# Altium PCB DIOT_Backplane.pcbdoc (part 2 of 11) (continued)
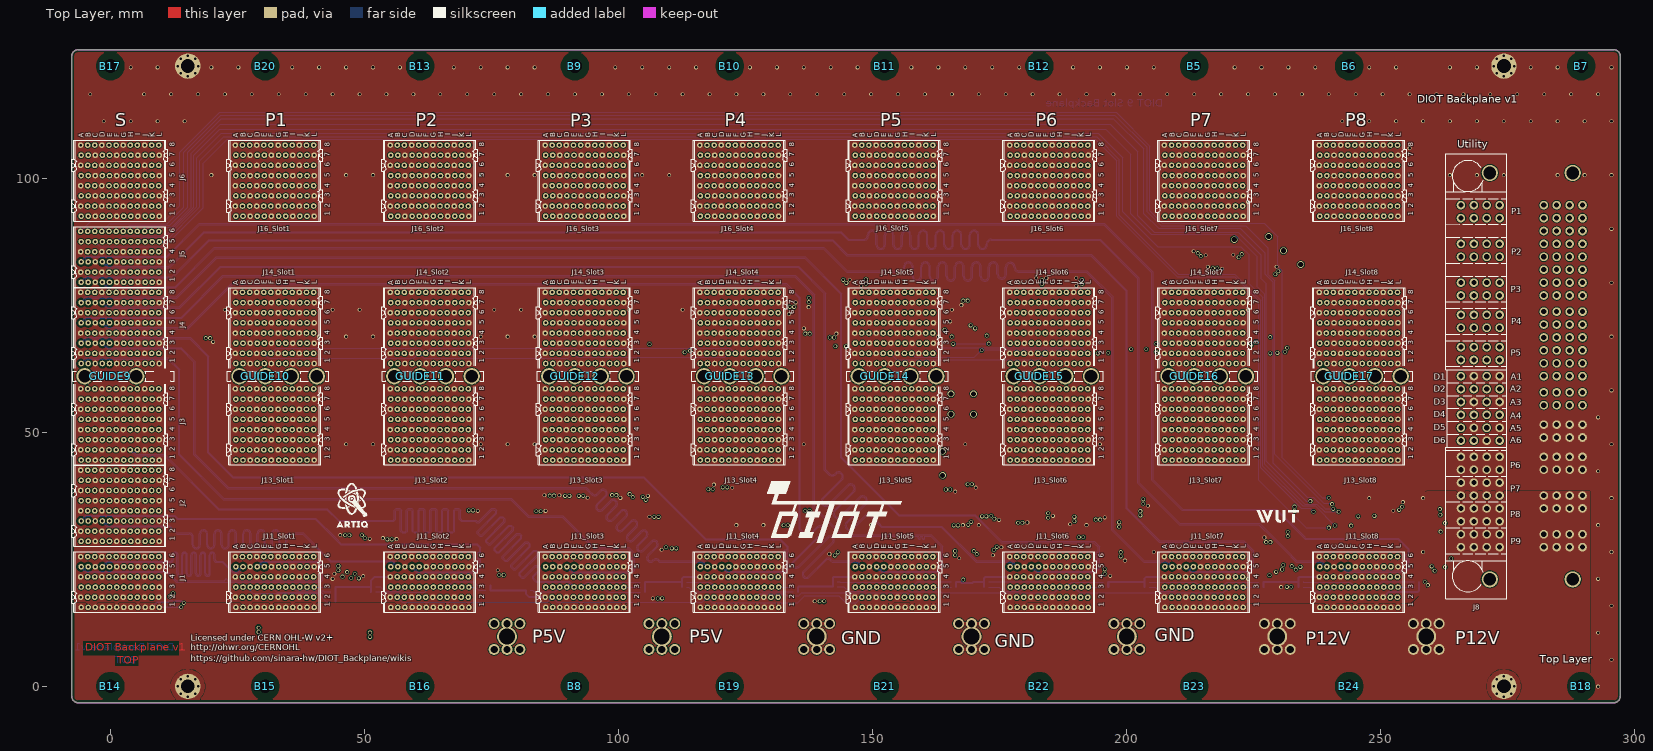
[diagram p0: Top Layer view]
## Part data (continued)

## Via types
v1: diameter 0.75, hole 0.5, Top Layer to Bottom Layer, tented both sides, 429 vias
v2: diameter 0.85, hole 0.5, Top Layer to Bottom Layer, tented both sides, 32 vias
v3: diameter 1.3, hole 1, Top Layer to Bottom Layer, tented both sides, 10 vias

## Nets (pads, with @x,y where several pads share a name; then routed paths per layer and width w, separated by ;. In a path a pad name is that pad's centre, name@x,y a point inside that pad or via, vN(x,y) a via of type N, cw(c..) or ccw(c..) an arc to the next point about the centre after c; other vN are vias at no path point)
1_CLK_N: J5.B5 J11_Slot1.F4 | length 318
  L8 w0.12: J5.B5@-4.38,87.55 -4.945,86.985 -4.945,86.853 -4.75,86.658 11.292,86.658 11.547,86.658 12.406,85.8 12.406,46.861 20.076,39.19 20.076,36.945 20.076,35.739 ccw(c20.517,35.739) 20.517,35.298 41.969,35.298 cw(c41.969,34.587) 41.969,33.876 17.623,33.876 ccw(c17.623,33.435) 17.623,32.994 42.218,32.994 cw(c42.218,32.283) 42.218,31.573 17.623,31.573 ccw(c17.623,31.132) 17.623,30.691 42.218,30.691 cw(c42.218,29.98) 42.218,29.269 17.623,29.269 ccw(c17.623,28.828) 17.623,28.387 42.218,28.387 cw(c42.218,27.676) 42.218,26.965 17.623,26.965 ccw(c17.623,26.524) 17.623,26.083 23.177,26.083 cw(c23.177,25.372) 23.177,24.662 17.623,24.662 ccw(c17.623,24.221) 17.623,23.78 19.366,23.78 cw(c19.366,23.069) 20.076,23.069 20.076,22.874 20.076,18.994 20.783,18.287 21.857,18.287 22.677,19.107 22.677,21.769 23.609,22.701 23.708,22.701 30.708,22.701 31.035,22.375 31.035,22.115 J11_Slot1.F4@31.6,21.55
1_CLK_P: J5.A5 J11_Slot1.E4 | length 318
  L8 w0.12: J5.A5@-5.78,87.55 -5.215,86.985 -5.215,86.741 -4.862,86.388 11.292,86.388 11.435,86.388 12.136,85.688 12.136,46.749 19.807,39.078 19.807,36.945 19.807,35.739 ccw(c20.517,35.739) 20.517,35.028 41.969,35.028 cw(c41.969,34.587) 41.969,34.146 17.623,34.146 ccw(c17.623,33.435) 17.623,32.724 42.218,32.724 cw(c42.218,32.283) 42.218,31.842 17.623,31.842 ccw(c17.623,31.132) 17.623,30.421 42.218,30.421 cw(c42.218,29.98) 42.218,29.539 17.623,29.539 ccw(c17.623,28.828) 17.623,28.117 42.218,28.117 cw(c42.218,27.676) 42.218,27.235 17.623,27.235 ccw(c17.623,26.524) 17.623,25.813 23.177,25.813 cw(c23.177,25.372) 23.177,24.931 17.623,24.931 ccw(c17.623,24.221) 17.623,23.51 19.366,23.51 cw(c19.366,23.069) 19.807,23.069 19.807,22.874 19.807,18.882 20.671,18.017 21.969,18.017 22.947,18.995 22.947,21.658 23.72,22.431 23.82,22.431 30.596,22.431 30.765,22.263 30.765,22.115 J11_Slot1.E4@30.2,21.55
1_DIFF_0_N: J1.B3 J11_Slot1.E3 | length 49.4
  L10 w0.102: J1.B3@-4.38,19.55 -4.965,20.135 -4.965,20.235 -4.742,20.459 11.464,20.459 14.622,17.3 15.413,17.3 15.626,17.3 15.976,17.65 15.976,18.354 16.192,18.57 16.624,18.57 16.84,18.354 16.84,16.38 17.19,16.03 17.812,16.03 18.162,16.38 18.162,18.354 18.378,18.57 18.81,18.57 19.026,18.354 19.026,16.38 19.376,16.03 19.998,16.03 20.348,16.38 20.348,18.354 20.564,18.57 20.996,18.57 21.212,18.354 21.212,17.65 21.562,17.3 21.986,17.3 22.336,17.3 23.564,18.528 29.497,18.528 29.714,18.745 29.714,18.965 J11_Slot1.E3@30.3,19.55
1_DIFF_0_P: J1.A3 J11_Slot1.D3 | length 49.4
  L10 w0.102: J1.A3@-5.78,19.55 -5.195,20.135 -5.195,20.33 -4.837,20.687 11.559,20.687 14.717,17.529 15.413,17.529 15.531,17.529 15.747,17.745 15.747,18.449 16.097,18.799 16.719,18.799 17.069,18.449 17.069,16.475 17.285,16.259 17.717,16.259 17.933,16.475 17.933,18.449 18.283,18.799 18.905,18.799 19.255,18.449 19.255,16.475 19.471,16.259 19.903,16.259 20.119,16.475 20.119,18.449 20.469,18.799 21.091,18.799 21.441,18.449 21.441,17.745 21.657,17.529 21.986,17.529 22.241,17.529 23.469,18.757 29.402,18.757 29.486,18.84 29.486,18.965 J11_Slot1.D3@28.9,19.55
1_DIFF_1_N: J1.E3 J11_Slot1.B3 | length 51.5
  L6 w0.102: J1.E3@-0.18,19.55 -0.255,19.55 -0.766,19.039 -0.766,18.955 -0.461,18.65 10.34,18.65 12.396,20.706 12.407,20.717 13.405,20.717 13.756,20.367 13.756,18.754 13.972,18.538 14.404,18.538 14.62,18.754 14.62,20.96 14.97,21.31 15.591,21.31 15.942,20.96 15.942,18.754 16.158,18.538 16.59,18.538 16.806,18.754 16.806,20.96 17.156,21.31 17.777,21.31 18.128,20.96 18.128,18.754 18.344,18.538 18.776,18.538 18.992,18.754 18.992,20.96 19.342,21.31 19.963,21.31 20.314,20.96 20.314,18.754 20.53,18.538 20.962,18.538 21.178,18.754 21.178,20.96 21.528,21.31 22.149,21.31 22.5,20.96 22.5,19.249 22.716,19.033 23.148,19.033 23.364,19.249 23.364,20.367 23.714,20.717 23.927,20.717 25.038,20.717 25.514,20.24 25.514,20.061 26.025,19.55 J11_Slot1.B3@26.1,19.55
1_DIFF_1_P: J1.D3 J11_Slot1.A3 | length 51.5
  L6 w0.102: J1.D3@-1.58,19.55 -1.505,19.55 -0.995,19.039 -0.995,18.86 -0.556,18.421 10.435,18.421 12.396,20.382 12.502,20.488 13.311,20.488 13.527,20.272 13.527,18.659 13.877,18.309 14.498,18.309 14.849,18.659 14.849,20.865 15.065,21.081 15.497,21.081 15.713,20.865 15.713,18.659 16.063,18.309 16.684,18.309 17.035,18.659 17.035,20.865 17.251,21.081 17.683,21.081 17.899,20.865 17.899,18.659 18.249,18.309 18.87,18.309 19.221,18.659 19.221,20.865 19.437,21.081 19.869,21.081 20.085,20.865 20.085,18.659 20.435,18.309 21.056,18.309 21.407,18.659 21.407,20.865 21.623,21.081 22.055,21.081 22.271,20.865 22.271,19.154 22.621,18.804 23.242,18.804 23.593,19.154 23.593,20.272 23.809,20.488 23.927,20.488 24.943,20.488 25.285,20.145 25.285,20.061 24.775,19.55 J11_Slot1.A3@24.7,19.55
1_DIFF_2_N: J1.C4 J11_Slot1.C4 | length 48.7
  L12 w0.102: J1.C4@-3.08,21.55 -3.665,22.136 -3.665,22.3 -3.463,22.503 10.647,22.503 10.86,22.503 11.21,22.853 11.21,23.557 11.426,23.773 11.858,23.773 12.074,23.557 12.074,21.583 12.424,21.233 13.046,21.233 13.396,21.583 13.396,23.557 13.612,23.773 14.044,23.773 14.26,23.557 14.26,21.583 14.61,21.233 15.232,21.233 15.582,21.583 15.582,23.557 15.798,23.773 16.23,23.773 16.446,23.557 16.446,21.583 16.796,21.233 17.418,21.233 17.768,21.583 17.768,23.557 17.984,23.773 18.416,23.773 18.632,23.557 18.632,22.853 18.982,22.503 19.604,22.503 19.632,22.503 21.69,20.445 26.509,20.445 26.815,20.751 26.815,20.964 J11_Slot1.C4@27.4,21.55
1_DIFF_2_P: J1.B4 J11_Slot1.B4 | length 48.7
  L12 w0.102: J1.B4@-4.48,21.55 -3.895,22.136 -3.895,22.395 -3.558,22.732 10.647,22.732 10.765,22.732 10.981,22.947 10.981,23.651 11.331,24.002 11.953,24.002 12.303,23.651 12.303,21.677 12.519,21.462 12.951,21.462 13.167,21.677 13.167,23.651 13.517,24.002 14.139,24.002 14.489,23.651 14.489,21.677 14.705,21.462 15.137,21.462 15.353,21.677 15.353,23.651 15.703,24.002 16.325,24.002 16.675,23.651 16.675,21.677 16.891,21.462 17.323,21.462 17.539,21.677 17.539,23.651 17.889,24.002 18.511,24.002 18.861,23.651 18.861,22.947 19.077,22.732 19.604,22.732 19.727,22.732 21.784,20.674 26.414,20.674 26.585,20.846 26.585,20.964 J11_Slot1.B4@26,21.55
1_DIFF_3_N: J1.I4 J11_Slot1.L4 | length 55.4
  L4 w0.102: J1.I4@5.32,21.55 4.734,20.964 4.734,20.863 4.935,20.662 7.967,20.662 ccw(c8.12,21.55) 8.273,20.662 9.367,20.662 ccw(c9.52,21.55) 9.673,20.662 11.452,20.662 13.433,18.681 15.566,18.681 15.614,18.686 15.659,18.702 15.7,18.728 15.735,18.762 15.76,18.803 15.776,18.849 15.787,18.945 15.803,18.991 15.829,19.032 15.863,19.066 15.904,19.092 15.95,19.108 15.998,19.113 16.116,19.113 16.164,19.108 16.209,19.092 16.25,19.066 16.285,19.032 16.31,18.991 16.326,18.945 16.337,18.849 16.353,18.803 16.379,18.762 16.413,18.728 16.454,18.702 16.5,18.686 16.548,18.681 16.666,18.681 16.714,18.686 16.759,18.702 16.8,18.728 16.835,18.762 16.86,18.803 16.876,18.849 16.887,18.945 16.903,18.991 16.929,19.032 16.963,19.066 17.004,19.092 17.05,19.108 17.098,19.113 17.216,19.113 17.264,19.108 17.309,19.092 17.35,19.066 17.385,19.032 17.41,18.991 17.426,18.945 17.437,18.849 17.453,18.803 17.479,18.762 17.513,18.728 17.554,18.702 17.6,18.686 17.648,18.681 41.909,18.681 42.34,18.25 43.14,17.45 44.942,17.45 45.449,17.956 45.449,18.941 44.802,19.588 42.378,19.588 42.278,19.688 41.959,20.007 41.959,20.293 41.953,20.348 41.934,20.401 41.905,20.448 41.865,20.488 41.818,20.518 41.765,20.536 41.653,20.549 41.601,20.567 41.553,20.597 41.514,20.637 41.484,20.684 41.465,20.737 41.459,20.793 41.465,20.848 41.484,20.901 41.514,20.948 41.553,20.988 41.601,21.018 41.653,21.036 41.765,21.049 41.818,21.067 41.865,21.097 41.905,21.137 41.934,21.184 41.953,21.237 41.959,21.292 41.959,21.897 41.442,22.414 39.606,22.414 39.415,22.222 39.415,22.136 J11_Slot1.L4@40,21.55
1_DIFF_3_P: J1.H4 J11_Slot1.K4 | length 55.3
  L4 w0.102: J1.H4@3.92,21.55 4.506,20.964 4.506,20.768 4.841,20.433 7.948,20.433 ccw(c8.12,21.55) 8.292,20.433 9.348,20.433 ccw(c9.52,21.55) 9.692,20.433 11.357,20.433 13.338,18.452 41.814,18.452 42.016,18.25 42.178,18.088 43.045,17.221 45.037,17.221 45.678,17.861 45.678,19.036 44.897,19.817 42.473,19.817 42.188,20.102 42.188,21.992 41.537,22.643 39.512,22.643 39.185,22.317 39.185,22.136 J11_Slot1.K4@38.6,21.55
1_DIFF_4_N: J1.L4 J11_Slot1.I4 | length 50.2
  L4 w0.102: J1.L4@9.52,21.55 8.935,22.135 8.935,22.248 9.126,22.44 11.905,22.44 13.963,20.382 14.34,20.382 14.553,20.382 14.903,20.732 14.903,22.051 15.119,22.267 15.551,22.267 15.767,22.051 15.767,19.865 16.117,19.515 16.739,19.515 17.089,19.865 17.089,22.051 17.305,22.267 17.737,22.267 17.953,22.051 17.953,19.847 18.303,19.497 18.925,19.497 19.275,19.847 19.275,22.051 19.491,22.267 19.923,22.267 20.139,22.051 20.139,19.847 20.489,19.497 21.111,19.497 21.461,19.847 21.461,22.907 21.677,23.123 22.109,23.123 22.325,22.907 22.325,19.847 22.675,19.497 23.297,19.497 23.647,19.847 23.647,20.166 23.863,20.382 23.988,20.382 34.907,20.382 35.214,20.689 35.214,20.964 J11_Slot1.I4@35.8,21.55
1_DIFF_4_P: J1.K4 J11_Slot1.H4 | length 50.2
  L4 w0.102: J1.K4@8.12,21.55 8.705,22.136 8.705,22.343 9.032,22.669 12,22.669 14.058,20.611 14.34,20.611 14.458,20.611 14.674,20.827 14.674,22.146 15.024,22.496 15.646,22.496 15.996,22.146 15.996,19.96 16.212,19.744 16.644,19.744 16.86,19.96 16.86,22.146 17.21,22.496 17.832,22.496 18.182,22.146 18.182,19.941 18.398,19.725 18.83,19.725 19.046,19.941 19.046,22.146 19.396,22.496 20.018,22.496 20.368,22.146 20.368,19.941 20.584,19.725 21.016,19.725 21.232,19.941 21.232,23.002 21.582,23.352 22.204,23.352 22.554,23.002 22.554,19.941 22.77,19.725 23.202,19.725 23.418,19.941 23.418,20.261 23.768,20.611 23.988,20.611 34.813,20.611 34.986,20.784 34.986,20.964 J11_Slot1.H4@34.4,21.55
1_DIFF_5_N: J1.H5 J11_Slot1.K5 | length 49.8
  L10 w0.102: J1.H5@4.02,23.55 3.434,24.136 3.434,24.266 3.589,24.421 10.645,24.421 14.345,20.721 15.059,20.721 15.272,20.721 15.622,21.071 15.622,21.775 15.838,21.991 16.27,21.991 16.486,21.775 16.486,19.801 16.836,19.451 17.458,19.451 17.808,19.801 17.808,21.775 18.024,21.991 18.456,21.991 18.672,21.775 18.672,19.801 19.022,19.451 19.644,19.451 19.994,19.801 19.994,21.775 20.21,21.991 20.642,21.991 20.858,21.775 20.858,21.071 21.208,20.721 21.492,20.721 21.635,20.721 23.379,22.465 37.803,22.465 38.115,22.777 38.115,22.965 J11_Slot1.K5@38.7,23.55
1_DIFF_5_P: J1.G5 J11_Slot1.J5 | length 49.8
  L10 w0.102: J1.G5@2.62,23.55 3.206,24.136 3.206,24.361 3.494,24.65 10.74,24.65 14.44,20.95 15.059,20.95 15.177,20.95 15.393,21.166 15.393,21.87 15.743,22.22 16.365,22.22 16.715,21.87 16.715,19.896 16.931,19.68 17.363,19.68 17.579,19.896 17.579,21.87 17.929,22.22 18.551,22.22 18.901,21.87 18.901,19.896 19.117,19.68 19.549,19.68 19.765,19.896 19.765,21.87 20.115,22.22 20.737,22.22 21.087,21.87 21.087,21.166 21.303,20.95 21.492,20.95 21.54,20.95 23.284,22.694 37.708,22.694 37.885,22.871 37.885,22.965 J11_Slot1.J5@37.3,23.55
1_DIFF_6_N: J1.K5 J11_Slot1.H5 | length 48.7
  L4 w0.102: J1.K5@8.22,23.55 7.635,24.135 7.635,24.224 7.823,24.413 10.415,24.413 10.628,24.413 10.978,24.763 10.978,25.835 11.194,26.051 11.626,26.051 11.842,25.835 11.842,23.421 12.193,23.071 12.814,23.071 13.164,23.421 13.164,25.391 13.38,25.607 13.812,25.607 14.028,25.391 14.028,23.248 14.379,22.898 15,22.898 15.35,23.248 15.35,25.066 15.566,25.282 15.998,25.282 16.214,25.066 16.214,23.248 16.565,22.898 17.186,22.898 17.536,23.248 17.536,25.066 17.752,25.282 18.184,25.282 18.4,25.066 18.4,23.248 18.751,22.898 19.372,22.898 19.722,23.248 19.722,25.066 19.938,25.282 20.37,25.282 20.586,25.066 20.586,24.763 20.937,24.413 21.995,24.413 22.04,24.368 24.048,22.36 33.557,22.36 33.914,22.717 33.914,22.965 J11_Slot1.H5@34.5,23.55
1_DIFF_6_P: J1.J5 J11_Slot1.G5 | length 48.7
  L4 w0.102: J1.J5@6.82,23.55 7.405,24.136 7.405,24.319 7.661,24.575 7.728,24.642 10.415,24.642 10.533,24.642 10.749,24.858 10.749,25.929 11.1,26.28 11.721,26.28 12.071,25.929 12.071,23.516 12.287,23.3 12.719,23.3 12.935,23.516 12.935,25.486 13.286,25.836 13.907,25.836 14.257,25.486 14.257,23.343 14.473,23.127 14.905,23.127 15.121,23.343 15.121,25.161 15.472,25.511 16.093,25.511 16.443,25.161 16.443,23.343 16.659,23.127 17.091,23.127 17.307,23.343 17.307,25.161 17.658,25.511 18.279,25.511 18.629,25.161 18.629,23.343 18.845,23.127 19.277,23.127 19.493,23.343 19.493,25.161 19.844,25.511 20.465,25.511 20.815,25.161 20.815,24.858 21.031,24.642 22.04,24.642 22.09,24.642 24.143,22.589 33.463,22.589 33.686,22.812 33.686,22.965 J11_Slot1.G5@33.1,23.55
1_DIFF_7_N: J1.C6 J11_Slot1.F6 | length 55.1
  L6 w0.102: J1.C6@-3.08,25.55 -3.666,26.136 -3.666,26.554 -2.85,27.37 10.883,27.37 13.972,30.458 27.208,30.458 28.311,29.355 28.311,28.345 27.245,27.279 22.89,27.279 22.031,26.42 22.031,25.442 23.051,24.423 30.711,24.423 31.014,24.727 31.014,25.226 31.339,25.55 J11_Slot1.F6@31.6,25.55
1_DIFF_7_P: J1.B6 J11_Slot1.E6 | length 55.1
  L6 w0.102: J1.B6@-4.48,25.55 -3.895,26.136 -3.895,26.649 -2.945,27.599 10.789,27.599 13.877,30.687 27.303,30.687 28.54,29.45 28.54,28.25 27.34,27.05 22.985,27.05 22.26,26.325 22.26,25.537 23.145,24.652 30.616,24.652 30.786,24.821 30.786,25.226 30.461,25.55 J11_Slot1.E6@30.2,25.55
1_DIFF_8_N: J1.F6 J11_Slot1.C6 | length 49
  L4 w0.102: J1.F6@1.12,25.55 0.534,26.136 0.534,26.449 0.303,26.68 -6.11,26.68 -6.26,26.83 -6.26,27.25 -6.06,27.45 10.558,27.45 10.771,27.45 11.121,27.8 11.121,30.028 11.337,30.244 11.769,30.244 11.985,30.028 11.985,27.8 12.335,27.45 13.355,27.45 14.94,27.45 16.477,25.913 22.377,25.913 22.94,25.35 23.76,24.53 26.621,24.53 26.815,24.724 26.815,24.965 J11_Slot1.C6@27.4,25.55
1_DIFF_8_P: J1.E6 J11_Slot1.B6 | length 49
  L4 w0.102: J1.E6@-0.28,25.55 0.306,26.136 0.306,26.354 0.208,26.451 -6.205,26.451 -6.489,26.735 -6.489,27.345 -6.155,27.679 10.558,27.679 10.676,27.679 10.892,27.895 10.892,30.123 11.242,30.473 11.864,30.473 12.214,30.123 12.214,27.895 12.43,27.679 13.355,27.679 15.035,27.679 16.572,26.142 22.472,26.142 23.264,25.35 23.854,24.759 26.526,24.759 26.586,24.819 26.586,24.964 J11_Slot1.B6@26,25.55
1_DIFF_9_N: J1.I6 J11_Slot1.L6 | length 50.9
  L6 w0.102: J1.I6@5.32,25.55 4.734,26.136 4.734,26.386 4.735,26.421 4.794,26.481 16.358,26.481 16.88,25.959 16.995,25.844 16.995,25.539 16.497,25.041 16.497,24.546 16.937,24.106 17.432,24.106 18.828,25.502 19.133,25.502 19.439,25.196 19.439,24.891 18.043,23.495 18.043,23 18.483,22.56 18.978,22.56 19.476,23.058 19.781,23.058 19.865,22.975 20.296,22.544 41.263,22.544 41.676,22.957 41.676,23.908 41.33,24.255 40.983,24.601 39.613,24.601 39.414,24.8 39.414,25.226 39.739,25.55 J11_Slot1.L6@40,25.55
1_DIFF_9_P: J1.H6 J11_Slot1.K6 | length 50.9
  L6 w0.102: J1.H6@3.92,25.55 4.506,26.136 4.506,26.481 4.506,26.516 4.699,26.71 16.453,26.71 17.042,26.121 17.224,25.939 17.224,25.444 16.726,24.946 16.726,24.641 17.032,24.335 17.337,24.335 18.733,25.731 19.228,25.731 19.668,25.291 19.668,24.796 18.272,23.4 18.272,23.095 18.578,22.789 18.883,22.789 19.381,23.287 19.876,23.287 20.027,23.136 20.39,22.773 41.168,22.773 41.447,23.052 41.447,23.814 41.168,24.093 41.006,24.255 40.889,24.372 39.518,24.372 39.185,24.705 39.185,25.226 38.861,25.55 J11_Slot1.K6@38.6,25.55
1_DIFF_10_N: J1.L6 J11_Slot1.I6 | length 49.1
  L10 w0.102: J1.L6@9.52,25.55 8.934,26.136 8.934,27.071 9.114,27.25 11.12,27.25 13.898,24.472 13.994,24.472 14.81,24.472 15.026,24.256 15.026,23.298 15.376,22.948 15.998,22.948 16.348,23.298 16.348,25.78 16.564,25.996 16.996,25.996 17.212,25.78 17.212,23.298 17.562,22.948 18.184,22.948 18.534,23.298 18.534,25.78 18.75,25.996 19.182,25.996 19.398,25.78 19.398,23.298 19.748,22.948 20.37,22.948 20.72,23.298 20.72,25.78 20.936,25.996 21.368,25.996 21.584,25.78 21.584,23.298 21.934,22.948 22.556,22.948 22.906,23.298 22.906,24.256 23.122,24.472 23.24,24.472 34.907,24.472 35.214,24.779 35.214,24.965 J11_Slot1.I6@35.8,25.55
1_DIFF_10_P: J1.K6 J11_Slot1.H6 | length 49.1
  L10 w0.102: J1.K6@8.12,25.55 8.705,26.136 8.705,27.166 9.019,27.479 11.215,27.479 13.993,24.701 13.994,24.701 14.905,24.701 15.255,24.351 15.255,23.393 15.471,23.177 15.903,23.177 16.119,23.393 16.119,25.875 16.469,26.225 17.091,26.225 17.441,25.875 17.441,23.393 17.657,23.177 18.089,23.177 18.305,23.393 18.305,25.875 18.655,26.225 19.277,26.225 19.627,25.875 19.627,23.393 19.843,23.177 20.275,23.177 20.491,23.393 20.491,25.875 20.841,26.225 21.463,26.225 21.813,25.875 21.813,23.393 22.029,23.177 22.461,23.177 22.677,23.393 22.677,24.351 23.027,24.701 23.24,24.701 34.813,24.701 34.986,24.874 34.986,24.965 J11_Slot1.H6@34.4,25.55
1_DIFF_11_N: J6.B1 J16_Slot1.E1 | length 48.9
  L10 w0.102: J6.B1@-4.38,92.55 -4.965,91.964 -4.965,91.802 -4.966,91.657 -5.201,91.421 -6.214,91.421 -6.36,91.275 -6.36,90.906 -6.204,90.75 -4.286,90.75 -4.168,90.75 -3.952,90.966 -3.952,91.238 -3.602,91.588 -2.98,91.588 -2.63,91.238 -2.63,90.944 -2.414,90.728 -1.982,90.728 -1.766,90.944 -1.766,91.238 -1.416,91.588 -0.794,91.588 -0.444,91.238 -0.444,90.944 -0.228,90.728 0.204,90.728 0.42,90.944 0.42,91.238 0.77,91.588 1.392,91.588 1.742,91.238 1.742,90.944 1.958,90.728 2.39,90.728 2.606,90.944 2.606,91.238 2.956,91.588 3.577,91.588 3.928,91.238 3.928,90.944 4.144,90.728 4.576,90.728 4.792,90.944 4.792,91.238 5.142,91.588 5.763,91.588 6.114,91.238 6.114,90.944 6.33,90.728 6.762,90.728 6.978,90.944 6.978,91.238 7.328,91.588 7.949,91.588 8.3,91.238 8.3,90.944 8.516,90.728 8.948,90.728 9.164,90.944 9.164,91.238 9.514,91.588 10.135,91.588 10.486,91.238 10.486,90.966 10.702,90.75 12.482,90.75 12.84,90.75 14.431,92.341 20.893,92.341 22.24,93.687 29.366,93.687 29.714,93.338 29.714,93.136 J16_Slot1.E1@30.3,92.55
1_DIFF_11_P: J6.A1 J16_Slot1.D1 | length 48.9
  L10 w0.102: J6.A1@-5.78,92.55 -5.195,91.964 -5.195,91.752 -5.296,91.65 -6.309,91.65 -6.589,91.37 -6.589,90.812 -6.298,90.521 -4.286,90.521 -4.073,90.521 -3.723,90.871 -3.723,91.143 -3.507,91.359 -3.075,91.359 -2.859,91.143 -2.859,90.849 -2.509,90.499 -1.887,90.499 -1.537,90.849 -1.537,91.143 -1.321,91.359 -0.889,91.359 -0.673,91.143 -0.673,90.849 -0.323,90.499 0.299,90.499 0.649,90.849 0.649,91.143 0.865,91.359 1.297,91.359 1.513,91.143 1.513,90.849 1.863,90.499 2.485,90.499 2.835,90.849 2.835,91.143 3.051,91.359 3.483,91.359 3.699,91.143 3.699,90.849 4.049,90.499 4.67,90.499 5.021,90.849 5.021,91.143 5.237,91.359 5.669,91.359 5.885,91.143 5.885,90.849 6.235,90.499 6.856,90.499 7.207,90.849 7.207,91.143 7.423,91.359 7.855,91.359 8.071,91.143 8.071,90.849 8.421,90.499 9.042,90.499 9.393,90.849 9.393,91.143 9.609,91.359 10.041,91.359 10.257,91.143 10.257,90.871 10.607,90.521 12.482,90.521 12.935,90.521 14.526,92.112 20.988,92.112 22.334,93.458 29.271,93.458 29.486,93.243 29.486,93.136 J16_Slot1.D1@28.9,92.55
1_DIFF_12_N: J6.E1 J16_Slot1.B1 | length 49.1
  L4 w0.102: J6.E1@-0.18,92.55 -0.766,91.964 -0.766,91.772 -1.217,91.321 -6.303,91.321 -6.497,91.126 -6.497,90.832 -6.315,90.65 9.774,90.65 9.892,90.65 10.108,90.866 10.108,91.76 10.458,92.111 11.08,92.111 11.43,91.76 11.43,89.342 11.646,89.126 12.078,89.126 12.294,89.342 12.294,91.824 12.644,92.174 13.266,92.174 13.616,91.824 13.616,91.131 13.832,90.915 14.137,90.915 14.421,91.199 14.838,91.616 20.267,91.616 22.274,93.623 25.239,93.623 25.515,93.347 25.515,93.136 J16_Slot1.B1@26.1,92.55
1_DIFF_12_P: J6.D1 J16_Slot1.A1 | length 49.1
  L4 w0.102: J6.D1@-1.58,92.55 -0.994,91.964 -0.994,91.867 -1.312,91.55 -6.397,91.55 -6.726,91.221 -6.726,90.737 -6.41,90.421 9.774,90.421 9.987,90.421 10.337,90.771 10.337,91.666 10.553,91.882 10.985,91.882 11.201,91.666 11.201,89.247 11.551,88.897 12.173,88.897 12.523,89.247 12.523,91.729 12.739,91.945 13.171,91.945 13.387,91.729 13.387,91.036 13.737,90.686 14.232,90.686 14.421,90.875 14.933,91.387 20.362,91.387 22.369,93.394 25.144,93.394 25.285,93.252 25.285,93.136 J16_Slot1.A1@24.7,92.55
1_DIFF_13_N: J6.H1 J16_Slot1.K1 | length 48.8
  L12 w0.102: J6.H1@4.02,92.55 3.434,93.136 3.434,93.23 3.649,93.445 10.934,93.445 12.287,93.445 12.503,93.229 12.503,92.525 12.854,92.175 13.475,92.175 13.825,92.525 13.825,93.642 14.041,93.858 14.473,93.858 14.689,93.642 14.689,92.525 15.04,92.175 15.661,92.175 16.011,92.525 16.011,93.642 16.227,93.858 16.659,93.858 16.875,93.642 16.875,92.525 17.226,92.175 17.847,92.175 18.197,92.525 18.197,93.642 18.413,93.858 18.845,93.858 19.061,93.642 19.061,92.525 19.412,92.175 20.033,92.175 20.383,92.525 20.383,93.229 20.599,93.445 20.717,93.445 21.359,93.445 24.255,90.549 37.634,90.549 38.114,91.03 38.115,91.965 J16_Slot1.K1@38.7,92.55
1_DIFF_13_P: J6.G1 J16_Slot1.J1 | length 48.8
  L12 w0.102: J6.G1@2.62,92.55 3.206,93.136 3.206,93.325 3.554,93.674 10.934,93.674 12.382,93.674 12.732,93.324 12.732,92.62 12.948,92.404 13.38,92.404 13.596,92.62 13.596,93.737 13.947,94.087 14.568,94.087 14.918,93.737 14.918,92.62 15.134,92.404 15.566,92.404 15.782,92.62 15.782,93.737 16.133,94.087 16.754,94.087 17.104,93.737 17.104,92.62 17.32,92.404 17.752,92.404 17.968,92.62 17.968,93.737 18.319,94.087 18.94,94.087 19.29,93.737 19.29,92.62 19.506,92.404 19.938,92.404 20.154,92.62 20.154,93.324 20.505,93.674 20.717,93.674 21.454,93.674 24.35,90.778 37.539,90.778 37.885,91.124 37.885,91.964 J16_Slot1.J1@37.3,92.55
1_DIFF_14_N: J6.K1 J16_Slot1.H1 | length 51
  L8 w0.12: J6.K1@8.22,92.55 7.655,93.115 7.655,93.18 7.874,93.399 11.001,93.399 13.409,93.399 15.772,91.037 15.951,91.037 16.231,91.037 16.451,90.816 16.451,89.995 16.83,89.617 17.495,89.617 17.873,89.995 17.873,91.104 18.094,91.324 18.535,91.324 18.755,91.104 18.755,87.692 19.134,87.313 19.798,87.313 20.177,87.692 20.177,91.104 20.397,91.324 20.838,91.324 21.059,91.104 21.059,85.388 21.437,85.009 22.102,85.009 22.48,85.388 22.48,90.816 22.701,91.037 22.84,91.037 24.738,91.037 33.426,91.037 33.935,91.545 33.935,91.985 J16_Slot1.H1@34.5,92.55
1_DIFF_14_P: J6.J1 J16_Slot1.G1 | length 51
  L8 w0.12: J6.J1@6.82,92.55 7.385,93.115 7.385,93.292 7.762,93.669 11.113,93.669 13.521,93.669 15.883,91.307 15.951,91.307 16.343,91.307 16.721,90.928 16.721,90.107 16.942,89.887 17.383,89.887 17.603,90.107 17.603,91.215 17.982,91.594 18.646,91.594 19.025,91.215 19.025,87.803 19.245,87.583 19.686,87.583 19.907,87.803 19.907,91.215 20.286,91.594 20.95,91.594 21.329,91.215 21.329,85.5 21.549,85.279 21.99,85.279 22.211,85.5 22.211,90.928 22.589,91.307 22.84,91.307 24.738,91.307 33.314,91.307 33.665,91.657 33.665,91.985 J16_Slot1.G1@33.1,92.55
1_DIFF_15_N: J2.B5 J11_Slot1.F2 | length 55.8
  L8 w0.12: J2.B5@-4.38,36.55 -4.577,36.55 -4.945,36.182 -4.945,35.76 -4.838,35.653 10.057,35.653 11.136,34.574 11.136,19.054 11.84,18.35 12.252,18.35 v1(12.319,18.283)
  L6 w0.102: v1(12.319,18.283) 12.346,18.255 12.346,17.815 12.711,17.45 22.74,17.45 23.922,18.632 30.595,18.632 31.014,18.213 31.014,17.874 31.339,17.55 J11_Slot1.F2@31.6,17.55
1_DIFF_15_P: J2.A5 J11_Slot1.E2 | length 55.8
  L8 w0.12: J2.A5@-5.78,36.55 -5.583,36.55 -5.215,36.182 -5.215,35.648 -4.95,35.383 9.945,35.383 10.866,34.463 10.866,18.943 11.65,18.159 11.65,17.747 v1(11.716,17.681)
  L6 w0.102: v1(11.716,17.681) 11.744,17.653 12.184,17.653 12.616,17.221 22.835,17.221 24.017,18.403 30.5,18.403 30.786,18.118 30.786,17.874 30.461,17.55 J11_Slot1.E2@30.2,17.55
1_MGT_Rx_N: J1.E5 J11_Slot1.B5 | length 65.6
  Bottom Layer w0.15: J1.E5@-0.18,23.55 -0.357,23.55 -0.754,23.947 -0.754,24.309 -0.659,24.404 11.646,24.404 11.847,24.404 ccw(c11.847,24.985) 12.427,24.985 12.427,25.853 cw(c12.756,25.853) 13.085,25.853 13.085,22.23 ccw(c13.665,22.23) 14.246,22.23 14.246,25.853 cw(c14.575,25.853) 14.904,25.853 14.904,22.23 ccw(c15.484,22.23) 16.064,22.23 16.064,25.853 cw(c16.393,25.853) 16.722,25.853 16.722,22.23 ccw(c17.303,22.23) 17.883,22.23 17.883,25.853 cw(c18.212,25.853) 18.541,25.853 18.541,22.23 ccw(c19.121,22.23) 19.702,22.23 19.702,25.853 cw(c20.031,25.853) 20.36,25.853 20.36,24.985 ccw(c20.94,24.985) 20.94,24.404 21.737,24.404 21.984,24.404 24.071,22.318 25.245,22.318 25.526,22.599 25.526,23.128 25.948,23.55 J11_Slot1.B5@26.1,23.55
1_MGT_Rx_P: J1.D5 J11_Slot1.A5 | length 65.6
  Bottom Layer w0.15: J1.D5@-1.58,23.55 -1.403,23.55 -1.006,23.947 -1.006,24.413 -0.763,24.656 11.646,24.656 11.847,24.656 ccw(c11.847,24.985) 12.176,24.985 12.176,25.853 cw(c12.756,25.853) 13.337,25.853 13.337,22.23 ccw(c13.665,22.23) 13.994,22.23 13.994,25.853 cw(c14.575,25.853) 15.155,25.853 15.155,22.23 ccw(c15.484,22.23) 15.813,22.23 15.813,25.853 cw(c16.393,25.853) 16.974,25.853 16.974,22.23 ccw(c17.303,22.23) 17.632,22.23 17.632,25.853 cw(c18.212,25.853) 18.792,25.853 18.792,22.23 ccw(c19.121,22.23) 19.45,22.23 19.45,25.853 cw(c20.031,25.853) 20.611,25.853 20.611,24.985 ccw(c20.94,24.985) 20.94,24.656 21.737,24.656 22.089,24.656 24.175,22.569 25.141,22.569 25.274,22.703 25.274,23.128 24.852,23.55 J11_Slot1.A5@24.7,23.55
1_MGT_Tx_N: J1.B5 J11_Slot1.E5 | length 66.4
  Bottom Layer w0.15: J1.B5@-4.38,23.55 -4.557,23.55 -4.954,23.153 -4.954,22.779 -4.866,22.691 11.155,22.691 13.105,20.74 19.934,20.74 22.355,20.74 ccw(c22.355,20.942) 22.557,20.942 cw(c22.759,20.942) 22.961,20.942 ccw(c23.163,20.942) 23.163,20.74 23.642,20.74 41.31,20.74 41.549,20.979 41.549,21.399 41.549,21.546 41.549,21.621 ccw(c41.347,21.621) 41.347,21.823 41.243,21.823 cw(c41.243,22.025) 41.243,22.227 41.347,22.227 ccw(c41.347,22.429) 41.347,22.631 41.31,22.631 cw(c41.31,22.833) 41.31,23.035 41.347,23.035 ccw(c41.347,23.236) 41.549,23.236 41.549,23.861 41.549,24.171 41.318,24.402 29.814,24.402 29.726,24.314 29.726,24.073 30.249,23.55 J11_Slot1.E5@30.3,23.55